# KiCad board panel.opm-inline.kicad_pcb (continued)
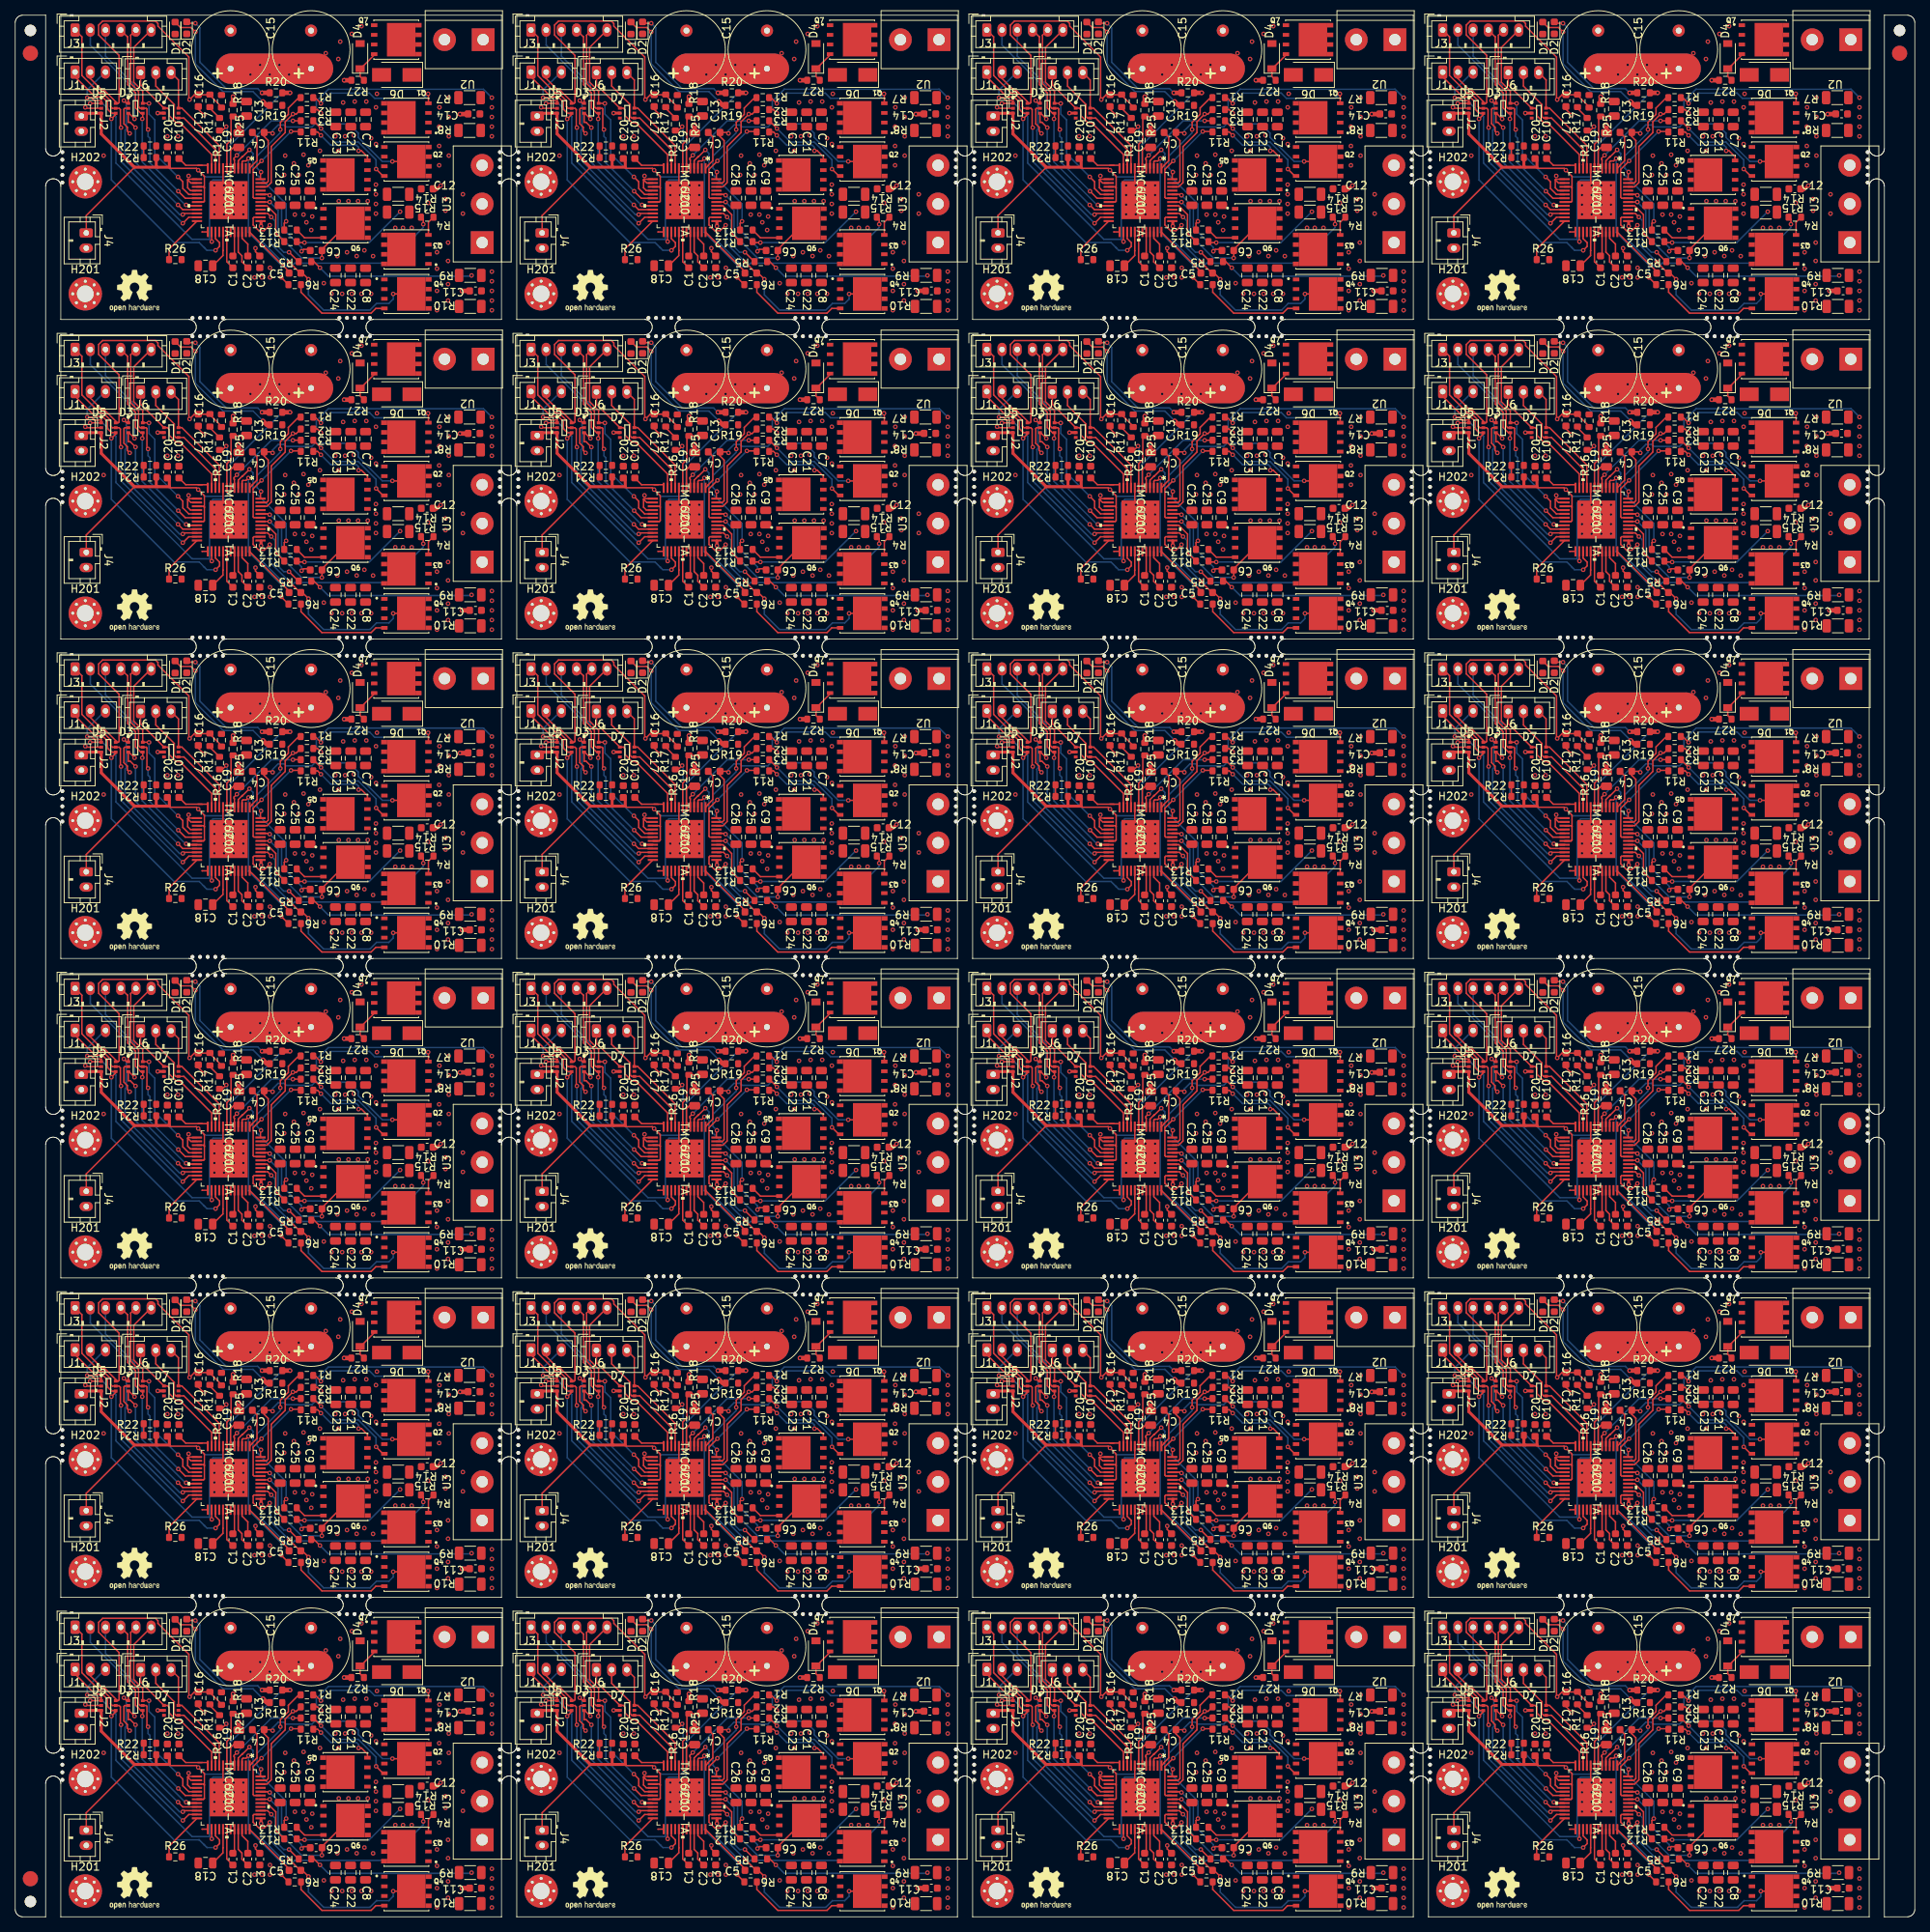
[diagram p0: board, top side]
## Routing (per net, layer and track width the routed paths; a pad name or vN(x,y) marks a point on that pad's centre or on a via; arc(x,y) is an arc through that point) (continued)
Board_11-Net-(IC1-Pad48): length 13.8
  Top w0.2: R1#9.2 217.13,155.14 215.77,153.77 215.77,152.94 214.72,151.89 v1(214.72,150.94) ; v1(212.18,145.36) 212.11,145.29 IC1#8.48
  Bottom w0.2: v1(214.72,150.94) 214.72,150.52 211.64,147.44 211.64,145.89 v1(212.18,145.36) 212.18,145.61
Board_11-Net-(Q1-Pad4): length 17.8
  Top w0.2: Q1#20.4 234.19,155.6 v1(234.15,155.64) ; R1#9.1 219.29,155.14 v1(220.05,154.37)
  Bottom w0.2: v1(234.15,155.64) 233.55,155.04 227.13,155.04 226.44,155.74 221.42,155.74 v1(220.05,154.37)
Board_11-Net-(Q2-Pad4): length 13.2
  Top w0.2: v1(227.31,145.75) 228.22,144.84 Q2#11.4 ; 220.18,150.97 v1(220.06,151.08) R3#16.1
  Bottom w0.2: v1(227.31,145.75) 227.31,146.96 224.97,149.29 221.85,149.29 v1(220.06,151.08)
Board_11-Net-(Q3-Pad4): length 2.6
  Top w0.2: R4#23.1 234.19,138.76 Q3.4
Board_11-Net-(Q4-Pad4): length 13.5
  Top w0.2: Q4#2.4 227.27,127.43 226.66,126.81 220.18,126.81 217.43,129.56 R6#14.1 217.63,130.56
Board_11-Net-(Q5-Pad4): length 9.2
  Top w0.2: v1(220.05,150.18) 219.61,150.63 R11#9.1 ; Q5#15.4 226.17,147.37 225.39,148.15 v1(225.01,148.15)
  Bottom w0.2: v1(220.05,150.18) 221.35,148.89 224.73,148.89 225.01,148.6 v1(225.01,148.15)
Board_11-Net-(Q6-Pad4): length 3.9
  Top w0.2: R13#6.1 217.89,136.72 Q6#3.4
Board_11-Net-(R16-Pad2): length 2
  Top w0.2: R16#15.2 205.45,153.74 R17#12.1
Board_12-/+VM: length 61.7
  Top w0.2: IC1#22.33 29.33,92.84 29.82,92.36 29.82,91.56 C2#21.1
  Top w0.6: R25#11.2 v1(28.65,113.27)
  Top w4: 28.39,116.96 39.82,116.96
  In1.Cu w4: 28.65,116.96 38.45,116.96
  In2.Cu w4: 28.39,116.96 39.82,116.96 28.39,116.96
  Bottom w4: 28.39,116.96 39.82,116.96
  vias: v1(30.93,116.19) v1(31.46,89.52) v1(32.2,117.46) v1(32.43,89.52) v1(33.47,116.19) v1(33.5,90.79) v1(33.5,89.52) v1(34.74,117.46) v1(35.38,102.99) v1(35.5,105.53) v1(36.01,116.19) v1(36.65,104.51) v1(37.28,117.46) v1(37.28,102.99) v1(37.92,105.65) v1(38.55,104.26) v1(40.08,106.16) v1(40.84,118.99) v1(42.36,92.33) v1(42.49,118.23) v1(42.49,106.16) v1(42.74,120.51) v1(43.12,112.51) v1(43.63,92.83) v1(44.27,121.53) v1(44.65,112.64) v1(44.9,92.33) v1(45.54,122.54) v1(45.92,93.08) v1(46.17,112.64) v1(47.06,92.32) v1(47.44,111.88) v1(47.57,113.65) v1(49.98,96.04) v1(51,96.04) v1(52.14,96.04)
Board_12-/ADC_I_u: length 15.5
  Top w0.2: IC1#22.9 26.83,106.85 21.92,111.76 D7#20.6 21.47,115.47 J6#3.3
Board_12-/ADC_I_v: length 17.7
  Top w0.2: 26.27,104.34 26.33,104.28 IC1#22.10 26.33,106.32 22.18,110.46 D7#20.4 21.13,110.46 20.92,110.67 20.92,112.24 18.49,114.67 J6#3.2 18.99,115.94
Board_12-/ADC_I_w: length 17
  Top w0.2: IC1#22.11 25.83,105.67 21.66,109.84 21.18,109.84 20.26,110.76 20.26,111.52 20.02,111.76 D7#20.1 16.49,114.85 J6#3.1
Board_12-/Connectors/VOFS: length 1.8
  Top w0.2: R22#24.1 R21#2.2 ; 16.58,105.14 16.9,105.14
Board_12-/DRV_EN: length 38.5
  Top w0.2: v1(12.64,110.35) 13.21,110.92 D5#9.4 12.66,111.1 12.14,111.62 12.14,112.57 11.44,113.26 10.5,113.26 7.87,115.89 J1#6.1 ; v1(26.35,93.08) 26.87,93.6 26.87,94.09 26.33,94.62 IC1#22.27 26.33,95.08 26.35,95.06
  Bottom w0.2: 24.84,93.46 24.96,93.33 ; 24.84,93.46 24.2,94.1 20.88,94.1 12.64,102.33 v1(12.64,110.35) ; 24.84,93.46 25.22,93.08 v1(26.35,93.08)
Board_12-/FAULT: length 63.4
  Top w0.2: v1(9.85,112.38) 9.87,112.4 D5#9.1 11.31,112.71 ; 11.37,112.76 10.43,112.76 10.05,113.15 v1(9.47,113.15) ; v1(25.85,94.22) 25.83,94.24 IC1#22.26
  Top w0.6: R20#23.2 v1(36.14,113.78)
  Bottom w0.2: 13.15,110.73 12.93,110.95 ; 13.15,110.73 13.24,110.64 13.24,104.55 23.27,94.52 25.55,94.52 ; 13.15,110.73 11.5,112.38 v1(9.85,112.38) ; 25.55,94.52 v1(25.85,94.22) ; 25.55,94.52 25.55,101.86 26.02,102.33 28.05,102.33 28.28,102.57 28.28,106.94 35.12,113.78 v1(36.14,113.78) ; J1#6.3 11.81,116.51 9.47,114.16 v1(9.47,113.15)
Board_12-/Motor Driver/VOFS: length 4.7
  Top w0.2: 24.04,104.26 25.31,104.26 ; C10#22.1 22.42,104.26 24.58,104.26
Board_12-/TEMP_PCB: length 42.5
  Top w0.2: 13.21,119.15 13.2,119.16 ; 13.2,119.16 13.66,118.7 13.66,112.51 13.55,112.4 D5#9.6 13.21,112.62 11.78,114.06 11.48,114.06 9.87,115.66 J1#6.2 ; 13.2,119.16 10.97,121.39 10.97,122.68 11.5,123.21 18.45,123.21 18.77,122.89 18.77,122.55 22.84,118.48 22.84,112.98 v1(22.93,112.89) 23.57,113.53 C17#3.1 25.57,113.53 R17#20.2 25.6,113.46 27.12,111.94
Board_12-/U: length 27.2
  Top w0.2: R2#17.1 39.74,111.58 v1(40.2,111.11)
  Bottom w0.2: v1(62.68,113.15) 61.57,114.25 41.18,114.25 39.6,112.67 39.6,111.71 v1(40.2,111.11)
  vias: v1(62.68,111.88) v1(62.68,110.61) v1(62.68,109.34) v1(62.68,108.07)
Board_12-/UH: length 27.5
  Top w0.2: v1(21.41,102.73) 22.04,102.1 22.04,101.21 22.82,100.43 IC1#22.17 ; 17.87,121.68 J3#4.6 15.59,119.75 15.59,115.18 16.77,114 D3#11.6 17.58,112.4 v1(17.6,112.38)
  Bottom w0.2: v1(17.6,112.38) 17.6,110.99 18.36,110.23 18.36,105.78 v1(21.41,102.73)
Board_12-/UL: length 27.4
  Top w0.2: v1(17.47,108.95) 17.32,109.11 17.32,111.65 17.22,111.75 D3#11.5 16.43,111.75 16.22,111.96 16.22,113.96 16.07,114.1 16.07,114.13 15.19,115.01 15.19,121.35 J3#4.5 ; IC1#22.18 22.36,99.93 v1(21.44,100.85)
  Bottom w0.2: v1(17.47,108.95) 17.47,108.07 17.72,107.81 17.72,104.56 v1(21.44,100.85)
Board_12-/V: length 15.3
  Top w0.2: R12#7.1 37.15,94.1 v1(38.04,94.1)
  Bottom w0.2: v1(50.62,98.16) 46.55,94.1 v1(38.04,94.1)
  vias: v1(54.3,99.3) v1(56.59,99.81) v1(56.59,98.29) v1(58.87,100.45) v1(58.87,97.91)
Board_12-/VH: length 30.4
  Top w0.2: v1(22.48,99.05) 22.6,98.93 IC1#22.20 23.03,98.93 ; D3#11.4 16.51,111.1 15.82,111.79 15.82,113.78 15.42,114.18 15.42,114.22 14.79,114.85 14.79,121.15 14.76,121.15 J3#4.4 ; D3#11.4 16.57,111.1 ; D3#11.4 16.77,110.29
  Bottom w0.2: 16.71,110.22 16.71,104.69 22.48,98.93 22.29,98.93 22.29,99.04 ; 14.42,121.49 J3#4.4
  vias: v1(16.71,110.35)
Board_12-/VL: length 32.1
  Top w0.2: IC1#22.21 22.03,98.43 v1(21.41,99.05) ; v1(15.69,110.35) 14.94,111.1 D3#11.3 ; 14.93,111.04 D3#11.3 ; D3#11.3 14.87,109.9 15.12,109.9 v1(15.82,109.21)
  Bottom w0.2: v1(15.69,110.35) 15.69,114.8 11.87,118.62 J3#4.3 ; v1(21.41,99.05) 15.82,104.64 v1(15.82,109.21)
Board_12-/VSA: length 5
  Top w0.2: C18#8.1 27.32,92.4 27.32,93.04 27.33,93.05 IC1#22.29
Board_12-/W: length 21.9
  Top w0.2: 38.96,91.81 38.93,91.79 ; R5#16.1 39.28,91.59 v1(40.08,90.79)
  Bottom w0.2: v1(40.08,90.79) 41.18,89.69 59.92,89.69 v1(60.01,89.78)
  vias: v1(62.68,90.29) v1(62.68,89.02) v1(62.68,87.75) v1(62.68,86.48) v1(62.68,85.21)
Board_12-/WH: length 33.7
  Top w0.2: v1(14.29,112.76) 14.66,112.4 D3#11.1 ; IC1#22.22 22.19,97.93 v1(22.04,97.78) ; D3#11.1 14.8,112.46 ; D3#11.1 14.87,113.21 v1(15.06,113.4)
  Bottom w0.2: 14.91,104.49 21.62,97.78 v1(22.04,97.78) ; 14.91,104.49 14.46,104.94 14.46,108.86 14.59,109 14.59,112.46 v1(14.29,112.76) ; 14.91,104.49 14.8,104.59 ; 13.51,116.41 13.31,116.61 ; 13.31,116.61 9.87,120.05 J3#4.2 ; 13.31,116.61 14.71,115.21 ; 14.8,115.12 14.71,115.21 ; 14.71,115.21 15.06,114.87 v1(15.06,113.4)
Board_12-/WL: length 34.8
  Top w0.2: IC1#22.23 22.83,97.43 v1(22.04,96.64) ; v1(13.91,109.21) 13.83,109.29 13.83,111.58 13.66,111.75 D5#9.5 12.76,111.75 12.54,111.98 12.54,112.73 11.61,113.66 11.17,113.66 8.77,116.06 8.77,121.14 J3#4.1 7.89,122.04
  Bottom w0.2: v1(22.04,96.64) 13.91,104.76 v1(13.91,109.21) ; 7.87,121.49 J3#4.1
Board_12-GND: length 31.2
  Top w0.2: 59.54,110.99 C14#13.2 ; C17#3.2 24.07,111.62 v1(24.84,110.86) ; D5#9.2 9.34,111.75 v1(9.21,111.88) ; 24.58,95.49 24.59,95.5 IC1#22.25 25.33,95.39 ; 29.83,101.43 IC1#22.EPAD ; IC1#22.EPAD 27.33,100.43 IC1#22.8 ; IC1#22.EPAD 25.83,97.43 ; v1(15.06,108.45) 14.76,108.75 14.76,109.25 14.29,109.72 14.29,111.62 14.42,111.75 D3#11.2 ; C3#13.2 31.59,92.9 v1(31.59,93.36) ; 18.74,111.11 v1(18.74,111.11) ; IC1#22.13 22.75,102.43 22.68,102.35 ; IC1#22.14 23.1,101.93 22.68,102.35 ; 22.68,102.35 22.68,101.3 23.05,100.93 IC1#22.16
  Top w0.4: 54.95,101.08 55.44,101.08 v1(55.95,101.59) ; D7#20.2 18.74,111.11
  Top w0.6: v1(43.25,115.43) R27#19.2 ; v1(58.74,87.75) C11#19.2 ; v1(58.49,110.99) 59.54,110.99 ; C19#10.2 v1(29.41,109.59)
  vias: v1(11.63,105.53) v1(20.01,108.07) v1(21.41,108.07) v1(22.8,102.86) v1(26.19,101.62) v1(26.19,100.35) v1(26.19,99.08) v1(26.19,97.81) v1(27.46,101.62) v1(27.46,100.35) v1(27.46,99.08) v1(27.46,97.81) v1(28.73,101.62) v1(28.73,100.35) v1(28.73,99.08) v1(28.73,97.81) v1(30,101.62) v1(30,100.35) v1(30,99.08) v1(30,97.81) v1(36.77,97.78) v1(37.92,97.78) v1(38.3,96.76) v1(38.93,95.75) v1(39.06,97.52) v1(40.58,88.76) v1(41.6,87.36) v1(42.11,108.07) v1(43,87.36) v1(43.38,108.07) v1(44.27,87.36) v1(44.52,108.19) v1(45.54,87.36) v1(46.81,107.81) v1(46.81,87.36) v1(47.44,107.05)
Board_12-Net-(C1-Pad1): length 5
  Top w0.2: IC1#22.30 27.83,91.58 C1#18.1
Board_12-Net-(C1-Pad2): length 3.2
  Top w0.2: C1#18.2 28.83,92.55 IC1#22.32
Board_12-Net-(C2-Pad2): length 3.5
  Top w0.2: IC1#22.34 29.83,94.66 30.59,93.9 C2#21.2
Board_12-Net-(C4-Pad1): length 31
  Top w0.2: C4#7.1 32.74,108.1 ; C4#7.1 33.73,108.57 v1(33.85,108.45) ; C4#7.1 32.74,108.04 33.27,107.5 33.27,102.15 33.05,101.93 IC1#22.47 ; v1(49.6,104.76) 49.61,104.76 Q2#6.5
  Bottom w0.2: v1(33.85,108.45) 33.85,108.83 34.58,109.55 35.34,109.55 35.6,109.3 39.03,109.3 39.42,109.69 43.91,109.69 45.12,108.48 45.12,107.92 48.28,104.76 v1(49.6,104.76)
  vias: v1(55.79,111.88) v1(55.75,109.34) v1(55.75,106.8) v1(55.75,104.26) v1(57.02,113.15) v1(57.02,110.61) v1(57.02,108.07) v1(57.02,105.53)
Board_12-Net-(C4-Pad2): length 5.4
  Top w0.2: C4#7.2 31.79,107.97 31.79,104.86 31.19,104.26 31.19,104.21 IC1#22.1
Board_12-Net-(C5-Pad1): length 7.4
  Top w0.2: IC1#22.36 30.83,95.47 36.01,90.29
Board_12-Net-(C5-Pad2): length 31.7
  Top w0.2: v1(49.71,87.35) Q4#15.5 ; v1(38.56,89.28) 37.76,90.09 C5#5.2 ; v1(33.47,96.38) 32.74,95.65 32.04,95.65 31.29,96.41 31.29,97.31 31.41,97.43 IC1#22.38 ; 37.56,90.29 37.28,90.29 v1(36.01,91.56)
  Bottom w0.2: v1(33.47,96.38) 33.57,96.28 33.57,94 v1(36.01,91.56) ; v1(49.71,87.35) 49.71,86.66 49.14,86.09 47.51,86.09 46.64,85.23 40.56,85.23 38.56,87.22 v1(38.56,89.28)
  vias: v1(55.46,92.83) v1(55.46,90.67) v1(55.46,87.75) v1(55.46,85.21) v1(56.92,94.1) v1(56.92,91.68) v1(56.92,88.63) v1(56.92,86.48)
Board_12-Net-(C6-Pad1): length 19.3
  Top w0.2: v1(33.47,99.43) 33.47,99.43 IC1#22.42 ; Q6#23.5 43.77,96.64 40.34,93.21 40.34,92.08 v1(40.33,92.06)
  Bottom w0.2: v1(33.47,99.43) 34.57,98.33 34.57,95.16 37.66,92.06 v1(40.33,92.06)
  vias: v1(42.55,99.55) v1(43.82,99.55) v1(45.09,99.55) v1(46.36,99.55) v1(47.43,101.72) v1(47.43,100.45) v1(47.43,99.18) v1(47.43,97.91)
Board_12-Net-(C6-Pad2): length 12.4
  Top w0.2: v1(37.66,92.95) 37.92,93.21 38.79,93.21 ; v1(33.47,100.32) 33.36,100.43 IC1#22.44 33.11,100.43
  Bottom w0.2: v1(37.66,92.95) 37.66,93.46 35.03,96.09 35.03,98.76 v1(33.47,100.32)
Board_12-Net-(D1-Pad2): length 19.4
  Top w0.2: R19#24.1 33.09,112.13 ; D1#10.2 21.74,122.37 23.11,122.37 v1(23.69,121.78)
  Top w0.6: 33.09,112.13 v1(32.58,112.64)
  Bottom w0.2: v1(23.69,121.78) 23.69,117.59 27.34,113.94 31.28,113.94 v1(32.58,112.64)
Board_12-Net-(D2-Pad2): length 17.4
  Top w0.2: v1(23.69,122.92) 22.73,122.92 D2#15.2
  Top w0.6: R20#23.1 v1(32.46,113.78)
  Bottom w0.2: v1(23.69,122.92) 24.29,122.32 24.29,117.8 27.75,114.34 31.89,114.34 v1(32.46,113.78)
Board_12-Net-(D4-Pad1): length 4.4
  Top w0.2: 45.41,116.96 47.21,118.76 Q7#5.4 ; D4#2.1 45.36,115.93 R27#19.1
Board_12-Net-(IC1-Pad3): length 20.6
  Top w0.2: v1(30.68,105.14) 30.36,104.83 29.95,104.83 29.83,104.71 IC1#22.3 ; v1(35,89.52) 35,89.5 R6#18.2
  Bottom w0.2: v1(30.68,105.14) 30.68,95.44 35,91.12 v1(35,89.52)
Board_12-Net-(IC1-Pad4): length 16.7
  Top w0.2: 29.83,105.36 29.92,105.44 ; 29.83,105.36 29.33,104.86 IC1#22.4 29.33,104.67 ; 29.83,105.36 29.87,105.36 v1(30.8,106.29) ; v1(35.63,96.89) 35.38,96.64 R13#9.2
  Bottom w0.2: v1(35.63,96.89) 35.63,99.18 31.28,103.53 31.28,105.81 v1(30.8,106.29)
Board_12-Net-(IC1-Pad5): length 12.2
  Top w0.2: v1(29.15,105.57) 28.77,105.19 28.77,105.02 28.83,104.96 IC1#22.5 ; R3#18.2 36.53,110.11 v1(36.52,110.1)
  Bottom w0.2: v1(29.15,105.57) 33.68,110.1 v1(36.52,110.1)
Board_12-Net-(IC1-Pad24): length 6.6
  Top w0.2: R26#14.1 20.23,93.25 IC1#22.24
Board_12-Net-(IC1-Pad37): length 28.9
  Top w0.2: v1(53.66,96.51) 53.66,97.13 R4#16.2 ; 32.33,96.86 IC1#22.37
  Top w0.4: v1(32.33,96.25) 32.33,96.86
  Bottom w0.2: v1(53.66,96.51) 53.66,96.08 48.97,91.39 36.74,91.39 36.3,90.96 35.72,90.96 32.33,94.35 v1(32.33,96.25)
Board_12-Net-(IC1-Pad39): length 9.3
  Top w0.2: 37.28,91.79 37.05,91.79 v1(36.01,92.83) ; v1(33.67,97.45) 33.2,97.93 IC1#22.39
  Bottom w0.2: v1(33.67,97.45) 34.17,96.95 34.17,93.96 35.31,92.83 v1(36.01,92.83)
Board_12-Net-(IC1-Pad41): length 6.5
  Top w0.2: IC1#22.41 33.11,98.93 34.27,97.77 34.27,95.33 R12#7.2
Board_12-Net-(IC1-Pad43): length 13.1
  Top w0.2: IC1#22.43 31.41,99.93 31.29,100.05 31.29,103.72 v1(32.39,104.83) ; v1(36.27,108.7) 37.49,108.7 R11#7.2
  Bottom w0.2: v1(32.39,104.83) v1(36.27,108.7)
Board_12-Net-(IC1-Pad46): length 13.1
  Top w0.2: IC1#22.46 33.11,101.43 33.67,101.98 33.67,106.72 35.5,108.56 35.5,109.97 36.52,110.99 v1(36.52,110.99) 36.96,110.99 R2#17.2
Board_12-Net-(IC1-Pad48): length 13.8
  Top w0.2: R1#18.2 37.28,113.15 35.92,111.78 35.92,110.95 34.87,109.9 v1(34.87,108.95) ; v1(32.33,103.37) 32.26,103.3 IC1#22.48
  Bottom w0.2: v1(34.87,108.95) 34.87,108.53 31.79,105.45 31.79,103.9 v1(32.33,103.37) 32.33,103.62
Board_12-Net-(Q1-Pad4): length 17.8
  Top w0.2: Q1.4 54.34,113.61 v1(54.3,113.65) ; R1#18.1 39.44,113.15 v1(40.2,112.38)
  Bottom w0.2: v1(54.3,113.65) 53.7,113.05 47.28,113.05 46.59,113.75 41.56,113.75 v1(40.2,112.38)
Board_12-Net-(Q2-Pad4): length 13.2
  Top w0.2: v1(47.46,103.76) 48.37,102.85 Q2#6.4 ; 40.33,108.98 v1(40.21,109.09) R3#18.1
  Bottom w0.2: v1(47.46,103.76) 47.46,104.97 45.12,107.3 42,107.3 v1(40.21,109.09)
Board_12-Net-(Q3-Pad4): length 2.6
  Top w0.2: R4#16.1 54.34,96.77 Q3#13.4
Board_12-Net-(Q4-Pad4): length 13.5
  Top w0.2: Q4#15.4 47.42,85.44 46.81,84.82 40.33,84.82 37.58,87.57 R6#18.1 37.78,88.57
Board_12-Net-(Q5-Pad4): length 9.2
  Top w0.2: v1(40.2,108.19) 39.76,108.64 R11#7.1 ; Q5#21.4 46.32,105.38 45.54,106.16 v1(45.16,106.16)
  Bottom w0.2: v1(40.2,108.19) 41.5,106.9 44.88,106.9 45.16,106.61 v1(45.16,106.16)
Board_12-Net-(Q6-Pad4): length 3.9
  Top w0.2: R13#9.1 38.04,94.73 Q6#23.4
Board_12-Net-(R16-Pad2): length 2
  Top w0.2: R16#13.2 25.6,111.75 R17#20.1
Board_13-/+VM: length 61.7
  Top w0.2: IC1#19.33 89.28,92.84 89.77,92.36 89.77,91.56 C2#17.1
  Top w0.6: R25#17.2 v1(88.6,113.27)
  Top w4: 88.34,116.96 99.77,116.96
  In1.Cu w4: 88.6,116.96 98.4,116.96
  In2.Cu w4: 88.34,116.96 99.77,116.96 88.34,116.96
  Bottom w4: 88.34,116.96 99.77,116.96
  vias: v1(90.88,116.19) v1(91.41,89.52) v1(92.15,117.46) v1(92.38,89.52) v1(93.42,116.19) v1(93.45,90.79) v1(93.45,89.52) v1(94.69,117.46) v1(95.33,102.99) v1(95.45,105.53) v1(95.96,116.19) v1(96.6,104.51) v1(97.23,117.46) v1(97.23,102.99) v1(97.87,105.65) v1(98.5,104.26) v1(100.03,106.16) v1(100.79,118.99) v1(102.31,92.33) v1(102.44,118.23) v1(102.44,106.16) v1(102.69,120.51) v1(103.07,112.51) v1(103.58,92.83) v1(104.22,121.53) v1(104.6,112.64) v1(104.85,92.33) v1(105.49,122.54) v1(105.87,93.08) v1(106.12,112.64) v1(107.01,92.32) v1(107.39,111.88) v1(107.52,113.65) v1(109.93,96.04) v1(110.95,96.04) v1(112.09,96.04)
Board_13-/ADC_I_u: length 15.5
  Top w0.2: IC1#19.9 86.78,106.85 81.87,111.76 D7#10.6 81.42,115.47 J6.3
Board_13-/ADC_I_v: length 17.7
  Top w0.2: 86.22,104.34 86.28,104.28 IC1#19.10 86.28,106.32 82.13,110.46 D7#10.4 81.08,110.46 80.87,110.67 80.87,112.24 78.44,114.67 J6.2 78.94,115.94
Board_13-/ADC_I_w: length 17
  Top w0.2: IC1#19.11 85.78,105.67 81.61,109.84 81.13,109.84 80.21,110.76 80.21,111.52 79.97,111.76 D7#10.1 76.44,114.85 J6.1
Board_13-/Connectors/VOFS: length 1.8
  Top w0.2: R22#22.1 R21#13.2 ; 76.53,105.14 76.85,105.14
Board_13-/DRV_EN: length 38.5
  Top w0.2: v1(72.59,110.35) 73.16,110.92 D5#15.4 72.61,111.1 72.09,111.62 72.09,112.57 71.39,113.26 70.45,113.26 67.82,115.89 J1#4.1 ; v1(86.3,93.08) 86.82,93.6 86.82,94.09 86.28,94.62 IC1#19.27 86.28,95.08 86.3,95.06
  Bottom w0.2: 84.79,93.46 84.91,93.33 ; 84.79,93.46 84.15,94.1 80.83,94.1 72.59,102.33 v1(72.59,110.35) ; 84.79,93.46 85.17,93.08 v1(86.3,93.08)
Board_13-/FAULT: length 63.4
  Top w0.2: v1(69.8,112.38) 69.82,112.4 D5#15.1 71.26,112.71 ; 71.32,112.76 70.38,112.76 70,113.15 v1(69.42,113.15) ; v1(85.8,94.22) 85.78,94.24 IC1#19.26
  Top w0.6: R20#2.2 v1(96.09,113.78)
  Bottom w0.2: 73.1,110.73 72.88,110.95 ; 73.1,110.73 73.19,110.64 73.19,104.55 83.22,94.52 85.5,94.52 ; 73.1,110.73 71.45,112.38 v1(69.8,112.38) ; 85.5,94.52 v1(85.8,94.22) ; 85.5,94.52 85.5,101.86 85.97,102.33 88,102.33 88.23,102.57 88.23,106.94 R20#2.2 v1(96.09,113.78) ; J1#4.3 71.76,116.51 69.42,114.16 v1(69.42,113.15)
Board_13-/Motor Driver/VOFS: length 4.7
  Top w0.2: 83.99,104.26 85.26,104.26 ; C10#9.1 82.37,104.26 84.53,104.26
Board_13-/TEMP_PCB: length 42.5
  Top w0.2: 73.16,119.15 73.15,119.16 ; 73.15,119.16 73.61,118.7 73.61,112.51 73.5,112.4 D5#15.6 73.16,112.62 71.73,114.06 71.43,114.06 69.82,115.66 J1#4.2 ; 73.15,119.16 70.92,121.39 70.92,122.68 71.45,123.21 78.4,123.21 78.72,122.89 78.72,122.55 82.79,118.48 82.79,112.98 v1(82.88,112.89) 83.52,113.53 C17#24.1 85.52,113.53 R17#5.2 85.55,113.46 87.07,111.94
Board_13-/U: length 27.2
  Top w0.2: R2#20.1 99.69,111.58 v1(100.15,111.11)
  Bottom w0.2: v1(122.63,113.15) 121.52,114.25 101.14,114.25 99.55,112.67 99.55,111.71 v1(100.15,111.11)
  vias: v1(122.63,111.88) v1(122.63,110.61) v1(122.63,109.34) v1(122.63,108.07)
Board_13-/UH: length 27.5
  Top w0.2: v1(81.36,102.73) 81.99,102.1 81.99,101.21 82.77,100.43 IC1#19.17 ; 77.82,121.68 J3.6 75.54,119.75 75.54,115.18 76.72,114 D3#4.6 77.53,112.4 v1(77.55,112.38)
  Bottom w0.2: v1(77.55,112.38) 77.55,110.99 78.31,110.23 78.31,105.78 v1(81.36,102.73)
Board_13-/UL: length 27.4
  Top w0.2: v1(77.42,108.95) 77.27,109.11 77.27,111.65 77.17,111.75 D3#4.5 76.38,111.75 76.17,111.96 76.17,113.96 76.02,114.1 76.02,114.13 75.14,115.01 75.14,121.35 J3.5 ; IC1#19.18 82.31,99.93 v1(81.39,100.85)
  Bottom w0.2: v1(77.42,108.95) 77.42,108.07 77.67,107.81 77.67,104.56 v1(81.39,100.85)
Board_13-/V: length 15.3
  Top w0.2: R12#15.1 97.1,94.1 v1(97.99,94.1)
  Bottom w0.2: v1(110.57,98.16) 106.5,94.1 v1(97.99,94.1)
  vias: v1(114.25,99.3) v1(116.54,99.81) v1(116.54,98.29) v1(118.82,100.45) v1(118.82,97.91)
Board_13-/VH: length 30.4
  Top w0.2: v1(82.43,99.05) 82.55,98.93 IC1#19.20 82.98,98.93 ; D3#4.4 76.46,111.1 75.77,111.79 75.77,113.78 75.37,114.18 75.37,114.22 74.74,114.85 74.74,121.15 74.71,121.15 J3.4 ; D3#4.4 76.52,111.1 ; D3#4.4 76.72,110.29
  Bottom w0.2: 76.66,110.22 76.66,104.69 82.43,98.93 82.24,98.93 82.24,99.04 ; 74.37,121.49 J3.4
  vias: v1(76.66,110.35)
Board_13-/VL: length 32.1
  Top w0.2: IC1#19.21 81.98,98.43 v1(81.36,99.05) ; v1(75.64,110.35) 74.9,111.1 D3#4.3 ; 74.88,111.04 D3#4.3 ; D3#4.3 74.82,109.9 75.07,109.9 v1(75.77,109.21)
  Bottom w0.2: v1(75.64,110.35) 75.64,114.8 71.82,118.62 J3.3 ; v1(81.36,99.05) 75.77,104.64 v1(75.77,109.21)
Board_13-/VSA: length 5
  Top w0.2: C18#19.1 87.27,92.4 87.27,93.04 87.28,93.05 IC1#19.29
Board_13-/W: length 21.9
  Top w0.2: 98.91,91.81 98.88,91.79 ; R5#10.1 99.23,91.59 v1(100.03,90.79)
  Bottom w0.2: v1(100.03,90.79) 101.13,89.69 119.87,89.69 v1(119.97,89.78)
  vias: v1(122.63,90.29) v1(122.63,89.02) v1(122.63,87.75) v1(122.63,86.48) v1(122.63,85.21)
Board_13-/WH: length 33.7
  Top w0.2: v1(74.25,112.76) 74.61,112.4 D3#4.1 ; IC1#19.22 82.14,97.93 v1(81.99,97.78) ; D3#4.1 74.75,112.46 ; D3#4.1 74.82,113.21 v1(75.01,113.4)
  Bottom w0.2: 74.86,104.49 81.57,97.78 v1(81.99,97.78) ; 74.86,104.49 74.41,104.94 74.41,108.86 74.55,109 74.55,112.46 v1(74.25,112.76) ; 74.86,104.49 74.75,104.59 ; 73.46,116.41 73.26,116.61 ; 73.26,116.61 69.82,120.05 J3.2 ; 73.26,116.61 74.66,115.21 ; 74.75,115.12 74.66,115.21 ; 74.66,115.21 75.01,114.87 v1(75.01,113.4)
Board_13-/WL: length 34.8
  Top w0.2: IC1#19.23 82.78,97.43 v1(81.99,96.64) ; v1(73.86,109.21) 73.78,109.29 73.78,111.58 73.61,111.75 D5#15.5 72.71,111.75 72.49,111.98 72.49,112.73 71.56,113.66 71.12,113.66 68.72,116.06 68.72,121.14 J3.1 67.84,122.04
  Bottom w0.2: v1(81.99,96.64) 73.86,104.76 v1(73.86,109.21) ; 67.82,121.49 J3.1
Board_13-GND: length 31.2
  Top w0.2: 119.49,110.99 C14.2 ; C17#24.2 84.02,111.62 v1(84.79,110.86) ; D5#15.2 69.29,111.75 v1(69.17,111.88) ; 84.53,95.49 84.54,95.5 IC1#19.25 85.28,95.39 ; 89.78,101.43 IC1#19.EPAD ; IC1#19.EPAD 87.28,100.43 IC1#19.8 ; IC1#19.EPAD 85.78,97.43 ; v1(75.01,108.45) 74.71,108.75 74.71,109.25 74.25,109.72 74.25,111.62 74.37,111.75 D3#4.2 ; C3#16.2 91.54,92.9 v1(91.54,93.36) ; IC1#19.13 82.7,102.43 82.63,102.35 ; IC1#19.14 83.05,101.93 82.63,102.35 ; 82.63,102.35 82.63,101.3 83,100.93 IC1#19.16
  Top w0.4: 114.9,101.08 115.39,101.08 v1(115.9,101.59) ; D7#10.2 v1(78.69,111.11)
  Top w0.6: v1(103.2,115.43) R27#17.2 ; v1(118.7,87.75) C11#21.2 ; v1(118.44,110.99) 119.49,110.99 ; C19.2 v1(89.36,109.59)
  vias: v1(71.58,105.53) v1(79.96,108.07) v1(81.36,108.07) v1(82.75,102.86) v1(86.14,101.62) v1(86.14,100.35) v1(86.14,99.08) v1(86.14,97.81) v1(87.41,101.62) v1(87.41,100.35) v1(87.41,99.08) v1(87.41,97.81) v1(88.68,101.62) v1(88.68,100.35) v1(88.68,99.08) v1(88.68,97.81) v1(89.95,101.62) v1(89.95,100.35) v1(89.95,99.08) v1(89.95,97.81) v1(96.72,97.78) v1(97.87,97.78) v1(98.25,96.76) v1(98.88,95.75) v1(99.01,97.52) v1(100.53,88.76) v1(101.55,87.36) v1(102.06,108.07) v1(102.95,87.36) v1(103.33,108.07) v1(104.22,87.36) v1(104.47,108.19) v1(105.49,87.36) v1(106.76,107.81) v1(106.76,87.36) v1(107.39,107.05)
Board_13-Net-(C1-Pad1): length 5
  Top w0.2: IC1#19.30 87.78,91.58 C1#4.1
Board_13-Net-(C1-Pad2): length 3.2
  Top w0.2: C1#4.2 88.78,92.55 IC1#19.32
Board_13-Net-(C2-Pad2): length 3.5
  Top w0.2: IC1#19.34 89.78,94.66 90.54,93.9 C2#17.2
Board_13-Net-(C4-Pad1): length 31
  Top w0.2: C4#24.1 92.69,108.1 ; C4#24.1 93.68,108.57 v1(93.8,108.45) ; C4#24.1 92.69,108.04 93.22,107.5 93.22,102.15 93,101.93 IC1#19.47 ; v1(109.55,104.76) 109.56,104.76 Q2#8.5
  Bottom w0.2: v1(93.8,108.45) 93.8,108.83 94.53,109.55 95.29,109.55 95.55,109.3 98.98,109.3 99.37,109.69 103.86,109.69 105.07,108.48 105.07,107.92 108.23,104.76 v1(109.55,104.76)
  vias: v1(115.7,109.34) v1(115.7,106.8) v1(115.7,104.26) v1(115.74,111.88) v1(116.97,113.15) v1(116.97,110.61) v1(116.97,108.07) v1(116.97,105.53)
Board_13-Net-(C4-Pad2): length 5.4
  Top w0.2: C4#24.2 91.74,107.97 91.74,104.86 91.14,104.26 91.14,104.21 IC1#19.1
Board_13-Net-(C5-Pad1): length 7.4
  Top w0.2: IC1#19.36 90.78,95.47 95.96,90.29
Board_13-Net-(C5-Pad2): length 31.7
  Top w0.2: v1(109.66,87.35) Q4#8.5 ; v1(98.52,89.28) 97.71,90.09 C5#24.2 ; v1(93.42,96.38) 92.7,95.65 91.99,95.65 91.24,96.41 91.24,97.31 91.36,97.43 IC1#19.38 ; 97.51,90.29 97.23,90.29 v1(95.96,91.56)
  Bottom w0.2: v1(93.42,96.38) 93.52,96.28 93.52,94 v1(95.96,91.56) ; v1(109.66,87.35) 109.66,86.66 109.09,86.09 107.46,86.09 106.59,85.23 100.51,85.23 98.52,87.22 v1(98.52,89.28)
  vias: v1(115.41,92.83) v1(115.41,90.67) v1(115.41,87.75) v1(115.41,85.21) v1(116.87,94.1) v1(116.87,91.68) v1(116.87,88.63) v1(116.87,86.48)
Board_13-Net-(C6-Pad1): length 19.3
  Top w0.2: v1(93.42,99.43) 93.42,99.43 IC1#19.42 ; Q6#12.5 103.72,96.64 100.29,93.21 100.29,92.08 v1(100.28,92.06)
  Bottom w0.2: v1(93.42,99.43) 94.52,98.33 94.52,95.16 97.61,92.06 v1(100.28,92.06)
  vias: v1(102.5,99.55) v1(103.77,99.55) v1(105.04,99.55) v1(106.31,99.55) v1(107.38,101.72) v1(107.38,100.45) v1(107.38,99.18) v1(107.38,97.91)
Board_13-Net-(C6-Pad2): length 12.4
  Top w0.2: v1(97.61,92.95) 97.87,93.21 98.74,93.21 ; v1(93.42,100.32) 93.32,100.43 IC1#19.44 93.06,100.43
  Bottom w0.2: v1(97.61,92.95) 97.61,93.46 94.98,96.09 94.98,98.76 v1(93.42,100.32)
Board_13-Net-(D1-Pad2): length 19.4
  Top w0.2: R19#23.1 93.04,112.13 ; D1#8.2 81.69,122.37 83.06,122.37 v1(83.64,121.78)
  Top w0.6: 93.04,112.13 v1(92.53,112.64)
  Bottom w0.2: v1(83.64,121.78) 83.64,117.59 87.29,113.94 91.23,113.94 v1(92.53,112.64)
Board_13-Net-(D2-Pad2): length 17.4
  Top w0.2: v1(83.64,122.92) 82.68,122.92 D2#13.2
  Top w0.6: R20#2.1 v1(92.41,113.78)
  Bottom w0.2: v1(83.64,122.92) 84.24,122.32 84.24,117.8 87.7,114.34 91.84,114.34 v1(92.41,113.78)
Board_13-Net-(D4-Pad1): length 4.4
  Top w0.2: 105.36,116.96 107.16,118.76 Q7#20.4 ; D4#3.1 105.31,115.93 R27#17.1
Board_13-Net-(IC1-Pad3): length 20.6
  Top w0.2: v1(90.63,105.14) 90.31,104.83 89.9,104.83 89.78,104.71 IC1#19.3 ; v1(94.95,89.52) 94.95,89.5 R6#5.2
  Bottom w0.2: v1(90.63,105.14) 90.63,95.44 94.95,91.12 v1(94.95,89.52)
Board_13-Net-(IC1-Pad4): length 16.7
  Top w0.2: 89.78,105.36 89.87,105.44 ; 89.78,105.36 89.28,104.86 IC1#19.4 89.28,104.67 ; 89.78,105.36 89.82,105.36 v1(90.76,106.29) ; v1(95.58,96.89) 95.33,96.64 R13#7.2
  Bottom w0.2: v1(95.58,96.89) 95.58,99.18 91.23,103.53 91.23,105.81 v1(90.76,106.29)
Board_13-Net-(IC1-Pad5): length 12.2
  Top w0.2: v1(89.1,105.57) 88.72,105.19 88.72,105.02 88.78,104.96 IC1#19.5 ; R3#13.2 96.48,110.11 v1(96.47,110.1)
  Bottom w0.2: v1(89.1,105.57) 93.63,110.1 v1(96.47,110.1)
Board_13-Net-(IC1-Pad24): length 6.6
  Top w0.2: R26#21.1 80.18,93.25 IC1#19.24